# KiCad board Floppy Board v3.1.kicad_pcb (continued)
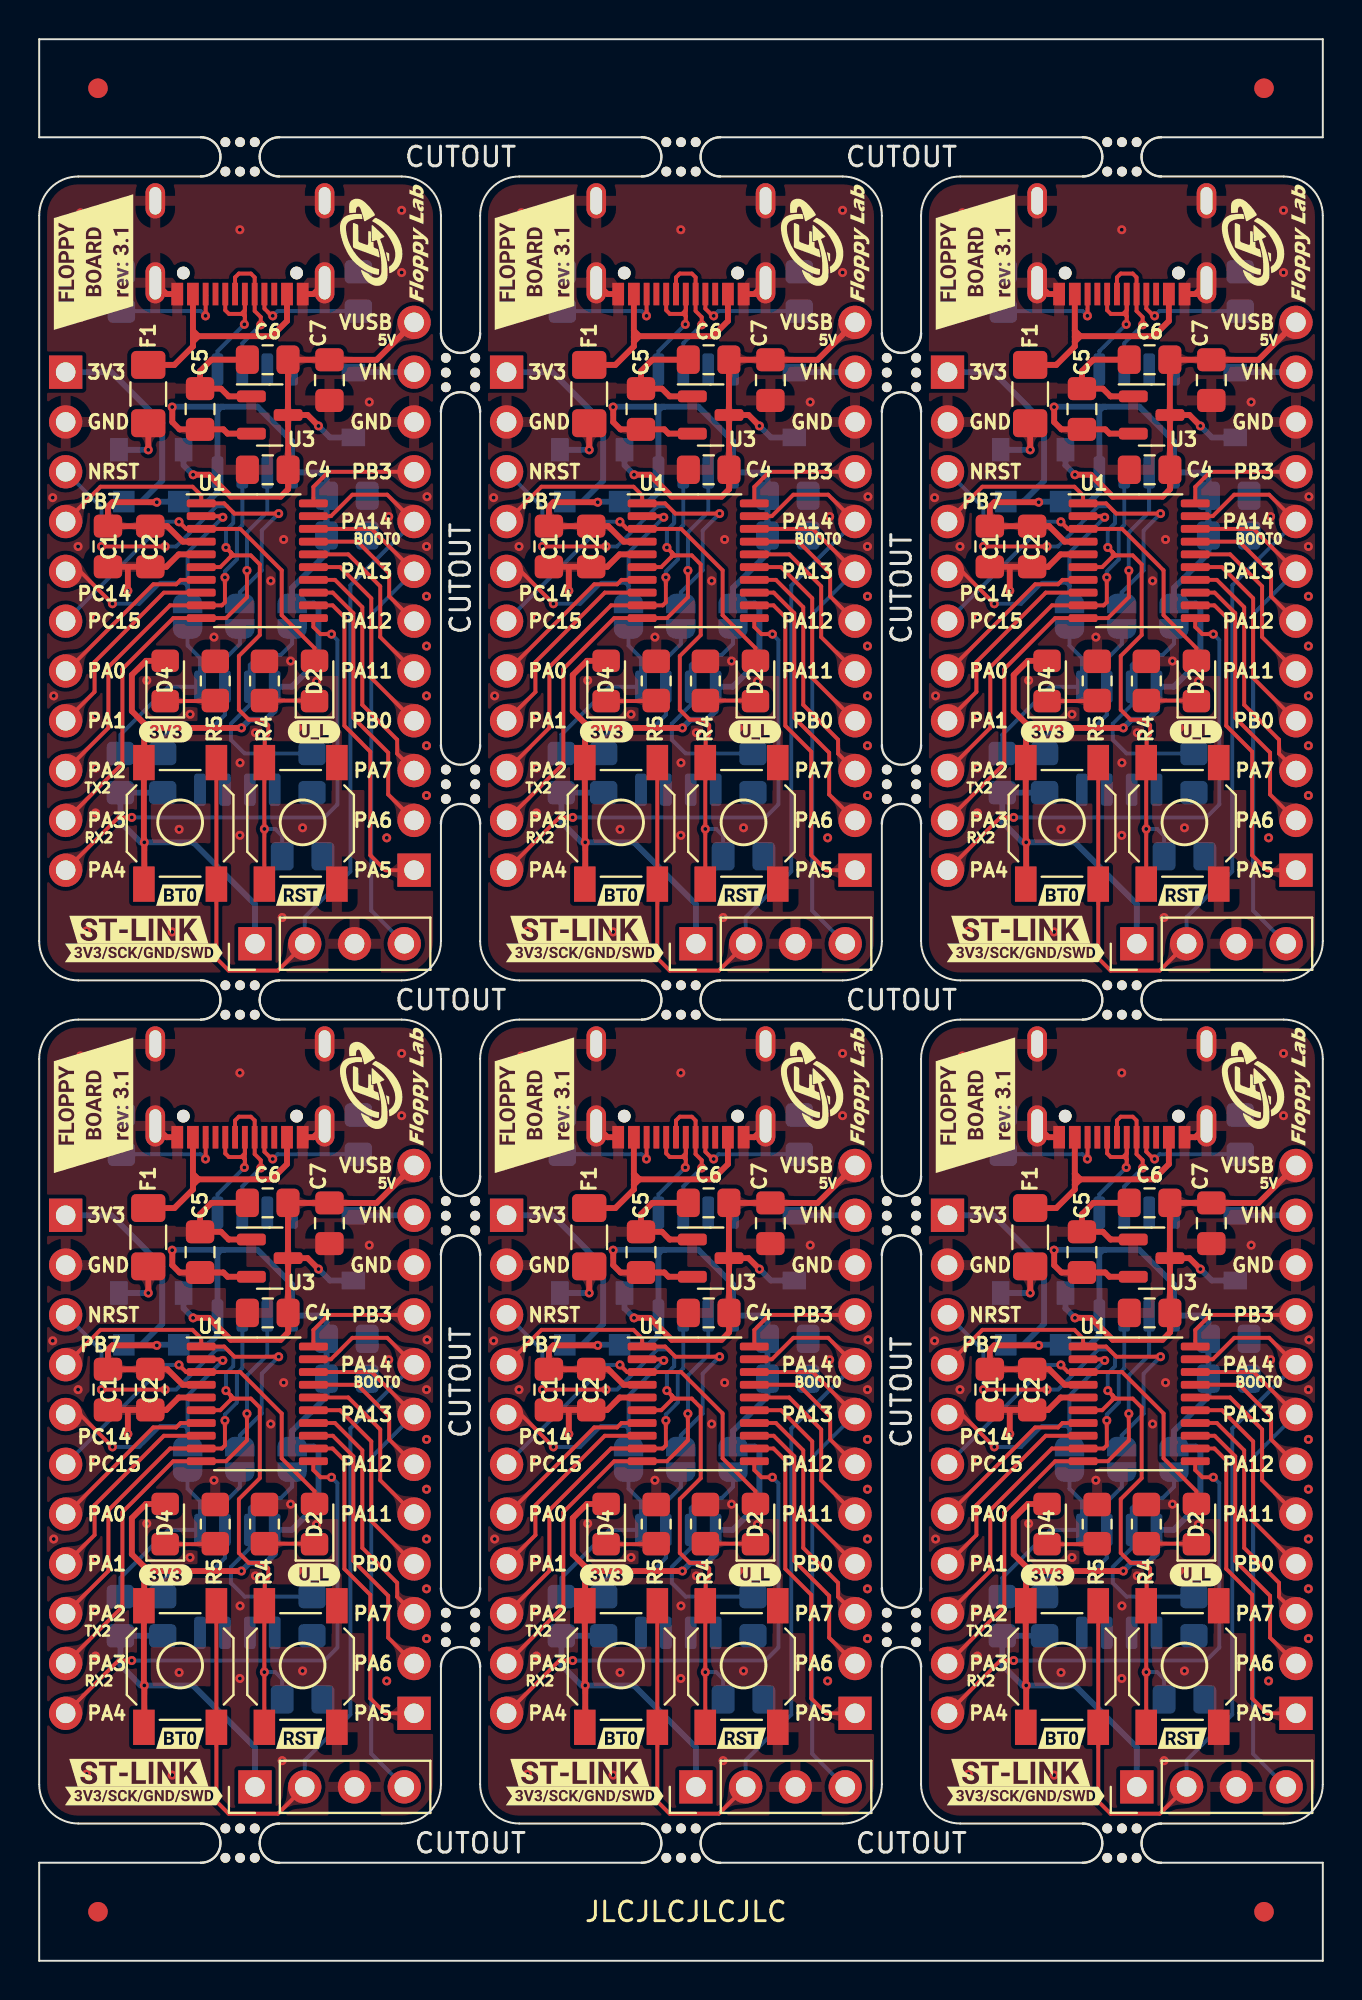
[diagram p0: board, top side]
## Copper pours and planes (outline as drawn; the poured copper is in the pictures) (continued)
PA13/SWDIO on Top: 17.86,71.98 18,71.83 18.09,71.7 18.15,71.57 18.19,71.44 18.21,71.32 18.22,71.19 18.23,71.06 18.25,70.91 18.28,70.76 18.33,70.58 19.43,70.56 19.41,71.66 19.23,71.71 19.08,71.74 18.93,71.76 18.8,71.77 18.67,71.78 18.55,71.8 18.42,71.84 18.29,71.9 18.16,71.99 18.01,72.13
PA13/SWDIO on Top: 40.36,71.98 40.5,71.83 40.59,71.7 40.65,71.57 40.69,71.44 40.71,71.32 40.72,71.19 40.73,71.06 40.75,70.91 40.78,70.76 40.83,70.58 41.93,70.56 41.91,71.66 41.73,71.71 41.58,71.74 41.43,71.76 41.3,71.77 41.17,71.78 41.05,71.8 40.92,71.84 40.79,71.9 40.66,71.99 40.51,72.13
PA13/SWDIO on Bottom: 63.01,26.59 63.16,26.73 63.29,26.82 63.42,26.88 63.55,26.92 63.67,26.94 63.8,26.95 63.93,26.96 64.08,26.98 64.23,27.01 64.41,27.06 64.43,28.16 63.33,28.14 63.28,27.96 63.25,27.81 63.23,27.66 63.22,27.53 63.21,27.4 63.19,27.28 63.15,27.15 63.09,27.02 63,26.89 62.86,26.74
PA13/SWDIO on Bottom: 39.86,52.99 40,52.84 40.09,52.71 40.15,52.58 40.19,52.45 40.21,52.33 40.22,52.2 40.23,52.07 40.25,51.92 40.28,51.77 40.33,51.59 41.43,51.57 41.41,52.67 41.23,52.72 41.08,52.75 40.93,52.77 40.8,52.78 40.67,52.79 40.55,52.81 40.42,52.85 40.29,52.91 40.16,53 40.01,53.14
PA13/SWDIO on Bottom: 18.01,26.59 18.16,26.73 18.29,26.82 18.42,26.88 18.55,26.92 18.67,26.94 18.8,26.95 18.93,26.96 19.08,26.98 19.23,27.01 19.41,27.06 19.43,28.16 18.33,28.14 18.28,27.96 18.25,27.81 18.23,27.66 18.22,27.53 18.21,27.4 18.19,27.28 18.15,27.15 18.09,27.02 18,26.89 17.86,26.74
PA13/SWDIO on Bottom: 62.36,9.99 62.5,9.84 62.59,9.71 62.65,9.58 62.69,9.45 62.71,9.33 62.72,9.2 62.73,9.07 62.75,8.92 62.78,8.77 62.83,8.59 63.93,8.57 63.91,9.67 63.73,9.72 63.58,9.75 63.43,9.77 63.3,9.78 63.17,9.79 63.05,9.81 62.92,9.85 62.79,9.91 62.66,10 62.51,10.14
PA13/SWDIO on Bottom: 63.01,69.59 63.16,69.73 63.29,69.82 63.42,69.88 63.55,69.92 63.67,69.94 63.8,69.95 63.93,69.96 64.08,69.98 64.23,70.01 64.41,70.06 64.43,71.16 63.33,71.14 63.28,70.96 63.25,70.81 63.23,70.66 63.22,70.53 63.21,70.4 63.19,70.28 63.15,70.15 63.09,70.02 63,69.89 62.86,69.74
PA13/SWDIO on Bottom: 39.86,9.99 40,9.84 40.09,9.71 40.15,9.58 40.19,9.45 40.21,9.33 40.22,9.2 40.23,9.07 40.25,8.92 40.28,8.77 40.33,8.59 41.43,8.57 41.41,9.67 41.23,9.72 41.08,9.75 40.93,9.77 40.8,9.78 40.67,9.79 40.55,9.81 40.42,9.85 40.29,9.91 40.16,10 40.01,10.14
PA13/SWDIO on Bottom: 17.36,52.99 17.5,52.84 17.59,52.71 17.65,52.58 17.69,52.45 17.71,52.33 17.72,52.2 17.73,52.07 17.75,51.92 17.78,51.77 17.83,51.59 18.93,51.57 18.91,52.67 18.73,52.72 18.58,52.75 18.43,52.77 18.3,52.78 18.17,52.79 18.05,52.81 17.92,52.85 17.79,52.91 17.66,53 17.51,53.14
PA13/SWDIO on Bottom: 17.36,9.99 17.5,9.84 17.59,9.71 17.65,9.58 17.69,9.45 17.71,9.33 17.72,9.2 17.73,9.07 17.75,8.92 17.78,8.77 17.83,8.59 18.93,8.57 18.91,9.67 18.73,9.72 18.58,9.75 18.43,9.77 18.3,9.78 18.17,9.79 18.05,9.81 17.92,9.85 17.79,9.91 17.66,10 17.51,10.14
PA13/SWDIO on Bottom: 18.01,69.59 18.16,69.73 18.29,69.82 18.42,69.88 18.55,69.92 18.67,69.94 18.8,69.95 18.93,69.96 19.08,69.98 19.23,70.01 19.41,70.06 19.43,71.16 18.33,71.14 18.28,70.96 18.25,70.81 18.23,70.66 18.22,70.53 18.21,70.4 18.19,70.28 18.15,70.15 18.09,70.02 18,69.89 17.86,69.74
PA13/SWDIO on Bottom: 40.51,69.59 40.66,69.73 40.79,69.82 40.92,69.88 41.05,69.92 41.17,69.94 41.3,69.95 41.43,69.96 41.58,69.98 41.73,70.01 41.91,70.06 41.93,71.16 40.83,71.14 40.78,70.96 40.75,70.81 40.73,70.66 40.72,70.53 40.71,70.4 40.69,70.28 40.65,70.15 40.59,70.02 40.5,69.89 40.36,69.74
PA13/SWDIO on Bottom: 62.36,52.99 62.5,52.84 62.59,52.71 62.65,52.58 62.69,52.45 62.71,52.33 62.72,52.2 62.73,52.07 62.75,51.92 62.78,51.77 62.83,51.59 63.93,51.57 63.91,52.67 63.73,52.72 63.58,52.75 63.43,52.77 63.3,52.78 63.17,52.79 63.05,52.81 62.92,52.85 62.79,52.91 62.66,53 62.51,53.14
PA13/SWDIO on Bottom: 40.51,26.59 40.66,26.73 40.79,26.82 40.92,26.88 41.05,26.92 41.17,26.94 41.3,26.95 41.43,26.96 41.58,26.98 41.73,27.01 41.91,27.06 41.93,28.16 40.83,28.14 40.78,27.96 40.75,27.81 40.73,27.66 40.72,27.53 40.71,27.4 40.69,27.28 40.65,27.15 40.59,27.02 40.5,26.89 40.36,26.74
PA14/SWCLK/BOOT0 on Top: 34.93,50.6 35.08,50.74 35.21,50.83 35.34,50.89 35.47,50.93 35.59,50.95 35.72,50.96 35.85,50.97 36,50.99 36.15,51.02 36.33,51.07 36.35,52.17 35.25,52.15 35.2,51.97 35.17,51.81 35.15,51.67 35.14,51.54 35.13,51.41 35.11,51.29 35.07,51.16 35.01,51.03 34.92,50.89 34.78,50.74
PA14/SWCLK/BOOT0 on Top: 9.14,53.8 9.15,53.93 9.17,54.04 9.19,54.13 9.23,54.21 9.27,54.27 9.32,54.34 9.37,54.41 9.43,54.48 9.48,54.57 9.54,54.67 9.04,55.18 8.55,54.67 8.6,54.57 8.66,54.48 8.71,54.41 8.76,54.34 8.81,54.27 8.86,54.21 8.89,54.13 8.92,54.04 8.94,53.93 8.94,53.8
PA14/SWCLK/BOOT0 on Top: 62.86,31.52 63,31.37 63.09,31.24 63.15,31.11 63.19,30.98 63.21,30.86 63.22,30.73 63.23,30.6 63.25,30.45 63.28,30.3 63.33,30.12 64.43,30.1 64.41,31.2 64.23,31.25 64.08,31.28 63.93,31.3 63.8,31.31 63.67,31.32 63.55,31.34 63.42,31.38 63.29,31.44 63.16,31.53 63.01,31.67
PA14/SWCLK/BOOT0 on Top: 31.44,13 31.44,12.87 31.42,12.76 31.39,12.68 31.35,12.6 31.31,12.54 31.26,12.47 31.21,12.41 31.16,12.33 31.1,12.25 31.05,12.15 31.54,11.63 32.04,12.15 31.98,12.25 31.93,12.33 31.87,12.41 31.82,12.47 31.77,12.54 31.73,12.6 31.69,12.68 31.67,12.76 31.65,12.87 31.64,13
PA14/SWCLK/BOOT0 on Top: 12.43,50.6 12.58,50.74 12.71,50.83 12.84,50.89 12.97,50.93 13.09,50.95 13.22,50.96 13.35,50.97 13.5,50.99 13.65,51.02 13.83,51.07 13.85,52.17 12.75,52.15 12.7,51.97 12.67,51.81 12.65,51.67 12.64,51.54 12.63,51.41 12.61,51.29 12.57,51.16 12.51,51.03 12.42,50.89 12.28,50.74
PA14/SWCLK/BOOT0 on Top: 9.14,17.02 9.15,17.15 9.17,17.25 9.19,17.34 9.23,17.41 9.27,17.48 9.32,17.54 9.37,17.61 9.43,17.68 9.48,17.77 9.54,17.87 9.04,18.38 8.55,17.87 8.6,17.77 8.66,17.68 8.71,17.61 8.76,17.54 8.81,17.48 8.85,17.41 8.89,17.34 8.92,17.25 8.94,17.15 8.94,17.02
PA14/SWCLK/BOOT0 on Top: 8.94,13 8.94,12.87 8.92,12.76 8.89,12.68 8.85,12.6 8.81,12.54 8.76,12.47 8.71,12.41 8.66,12.33 8.6,12.25 8.55,12.15 9.04,11.63 9.54,12.15 9.48,12.25 9.43,12.33 9.37,12.41 9.32,12.47 9.27,12.54 9.23,12.6 9.19,12.68 9.17,12.76 9.15,12.87 9.14,13
PA14/SWCLK/BOOT0 on Top: 8.94,56 8.94,55.87 8.92,55.76 8.89,55.68 8.85,55.6 8.81,55.54 8.76,55.47 8.71,55.41 8.66,55.33 8.6,55.25 8.55,55.15 9.04,54.63 9.54,55.15 9.48,55.25 9.43,55.33 9.37,55.41 9.32,55.47 9.27,55.54 9.23,55.6 9.19,55.68 9.17,55.76 9.15,55.87 9.14,56
PA14/SWCLK/BOOT0 on Top: 54.14,60.02 54.15,60.15 54.17,60.25 54.19,60.34 54.23,60.41 54.27,60.48 54.32,60.54 54.37,60.61 54.43,60.68 54.48,60.77 54.54,60.87 54.04,61.38 53.55,60.87 53.6,60.77 53.66,60.68 53.71,60.61 53.76,60.54 53.81,60.48 53.85,60.41 53.89,60.34 53.92,60.25 53.94,60.15 53.94,60.02
PA14/SWCLK/BOOT0 on Top: 53.94,56 53.94,55.87 53.92,55.76 53.89,55.68 53.85,55.6 53.81,55.54 53.76,55.47 53.71,55.41 53.66,55.33 53.6,55.25 53.55,55.15 54.04,54.63 54.54,55.15 54.48,55.25 54.43,55.33 54.37,55.41 54.32,55.47 54.27,55.54 54.23,55.6 54.19,55.68 54.17,55.76 54.15,55.87 54.14,56
PA14/SWCLK/BOOT0 on Top: 54.14,53.8 54.15,53.93 54.17,54.04 54.19,54.13 54.23,54.21 54.27,54.27 54.32,54.34 54.37,54.41 54.43,54.48 54.48,54.57 54.54,54.67 54.04,55.18 53.55,54.67 53.6,54.57 53.66,54.48 53.71,54.41 53.76,54.34 53.81,54.27 53.86,54.21 53.89,54.13 53.92,54.04 53.94,53.93 53.94,53.8
PA14/SWCLK/BOOT0 on Top: 31.64,60.02 31.65,60.15 31.67,60.25 31.69,60.34 31.73,60.41 31.77,60.48 31.82,60.54 31.87,60.61 31.93,60.68 31.98,60.77 32.04,60.87 31.54,61.38 31.05,60.87 31.1,60.77 31.16,60.68 31.21,60.61 31.26,60.54 31.31,60.48 31.35,60.41 31.39,60.34 31.42,60.25 31.44,60.15 31.44,60.02
PA14/SWCLK/BOOT0 on Top: 9.14,60.02 9.15,60.15 9.17,60.25 9.19,60.34 9.23,60.41 9.27,60.48 9.32,60.54 9.37,60.61 9.43,60.68 9.48,60.77 9.54,60.87 9.04,61.38 8.55,60.87 8.6,60.77 8.66,60.68 8.71,60.61 8.76,60.54 8.81,60.48 8.85,60.41 8.89,60.34 8.92,60.25 8.94,60.15 8.94,60.02
PA14/SWCLK/BOOT0 on Top: 17.86,31.52 18,31.37 18.09,31.24 18.15,31.11 18.19,30.98 18.21,30.86 18.22,30.73 18.23,30.6 18.25,30.45 18.28,30.3 18.33,30.12 19.43,30.1 19.41,31.2 19.23,31.25 19.08,31.28 18.93,31.3 18.8,31.31 18.67,31.32 18.55,31.34 18.42,31.38 18.29,31.44 18.16,31.53 18.01,31.67
PA14/SWCLK/BOOT0 on Top: 57.43,50.6 57.58,50.74 57.71,50.83 57.84,50.89 57.97,50.93 58.09,50.95 58.22,50.96 58.35,50.97 58.5,50.99 58.65,51.02 58.83,51.07 58.85,52.17 57.75,52.15 57.7,51.97 57.67,51.81 57.65,51.67 57.64,51.54 57.63,51.41 57.61,51.29 57.57,51.16 57.51,51.03 57.42,50.89 57.28,50.74
PA14/SWCLK/BOOT0 on Top: 53.94,13 53.94,12.87 53.92,12.76 53.89,12.68 53.85,12.6 53.81,12.54 53.76,12.47 53.71,12.41 53.66,12.33 53.6,12.25 53.55,12.15 54.04,11.63 54.54,12.15 54.48,12.25 54.43,12.33 54.37,12.41 54.32,12.47 54.27,12.54 54.23,12.6 54.19,12.68 54.17,12.76 54.15,12.87 54.14,13
PA14/SWCLK/BOOT0 on Top: 31.44,56 31.44,55.87 31.42,55.76 31.39,55.68 31.35,55.6 31.31,55.54 31.26,55.47 31.21,55.41 31.16,55.33 31.1,55.25 31.05,55.15 31.54,54.63 32.04,55.15 31.98,55.25 31.93,55.33 31.87,55.41 31.82,55.47 31.77,55.54 31.73,55.6 31.69,55.68 31.67,55.76 31.65,55.87 31.64,56
PA14/SWCLK/BOOT0 on Top: 54.14,10.81 54.15,10.93 54.17,11.04 54.19,11.13 54.23,11.21 54.27,11.27 54.32,11.34 54.37,11.41 54.43,11.48 54.48,11.57 54.54,11.67 54.04,12.18 53.55,11.67 53.6,11.57 53.66,11.48 53.71,11.41 53.76,11.34 53.81,11.27 53.86,11.21 53.89,11.13 53.92,11.04 53.94,10.93 53.94,10.81
PA14/SWCLK/BOOT0 on Top: 40.36,31.52 40.5,31.37 40.59,31.24 40.65,31.11 40.69,30.98 40.71,30.86 40.72,30.73 40.73,30.6 40.75,30.45 40.78,30.3 40.83,30.12 41.93,30.1 41.91,31.2 41.73,31.25 41.58,31.28 41.43,31.3 41.3,31.31 41.17,31.32 41.05,31.34 40.92,31.38 40.79,31.44 40.66,31.53 40.51,31.67
PA14/SWCLK/BOOT0 on Top: 17.86,74.52 18,74.37 18.09,74.24 18.15,74.11 18.19,73.98 18.21,73.86 18.22,73.73 18.23,73.6 18.25,73.45 18.28,73.3 18.33,73.12 19.43,73.1 19.41,74.2 19.23,74.25 19.08,74.28 18.93,74.3 18.8,74.31 18.67,74.32 18.55,74.34 18.42,74.38 18.29,74.44 18.16,74.53 18.01,74.67
PA14/SWCLK/BOOT0 on Top: 54.14,17.02 54.15,17.15 54.17,17.25 54.19,17.34 54.23,17.41 54.27,17.48 54.32,17.54 54.37,17.61 54.43,17.68 54.48,17.77 54.54,17.87 54.04,18.38 53.55,17.87 53.6,17.77 53.66,17.68 53.71,17.61 53.76,17.54 53.81,17.48 53.85,17.41 53.89,17.34 53.92,17.25 53.94,17.15 53.94,17.02
PA14/SWCLK/BOOT0 on Top: 12.43,7.6 12.58,7.74 12.71,7.83 12.84,7.89 12.97,7.93 13.09,7.95 13.22,7.96 13.35,7.97 13.5,7.99 13.65,8.02 13.83,8.07 13.85,9.17 12.75,9.15 12.7,8.97 12.67,8.81 12.65,8.67 12.64,8.54 12.63,8.41 12.61,8.29 12.57,8.16 12.51,8.03 12.42,7.89 12.28,7.74
PA14/SWCLK/BOOT0 on Top: 40.36,74.52 40.5,74.37 40.59,74.24 40.65,74.11 40.69,73.98 40.71,73.86 40.72,73.73 40.73,73.6 40.75,73.45 40.78,73.3 40.83,73.12 41.93,73.1 41.91,74.2 41.73,74.25 41.58,74.28 41.43,74.3 41.3,74.31 41.17,74.32 41.05,74.34 40.92,74.38 40.79,74.44 40.66,74.53 40.51,74.67
PA14/SWCLK/BOOT0 on Top: 62.86,74.52 63,74.37 63.09,74.24 63.15,74.11 63.19,73.98 63.21,73.86 63.22,73.73 63.23,73.6 63.25,73.45 63.28,73.3 63.33,73.12 64.43,73.1 64.41,74.2 64.23,74.25 64.08,74.28 63.93,74.3 63.8,74.31 63.67,74.32 63.55,74.34 63.42,74.38 63.29,74.44 63.16,74.53 63.01,74.67
PA14/SWCLK/BOOT0 on Top: 31.64,10.81 31.65,10.93 31.67,11.04 31.69,11.13 31.73,11.21 31.77,11.27 31.82,11.34 31.87,11.41 31.93,11.48 31.98,11.57 32.04,11.67 31.54,12.18 31.05,11.67 31.1,11.57 31.16,11.48 31.21,11.41 31.26,11.34 31.31,11.27 31.36,11.21 31.39,11.13 31.42,11.04 31.44,10.93 31.44,10.81
PA14/SWCLK/BOOT0 on Top: 34.93,7.6 35.08,7.74 35.21,7.83 35.34,7.89 35.47,7.93 35.59,7.95 35.72,7.96 35.85,7.97 36,7.99 36.15,8.02 36.33,8.07 36.35,9.17 35.25,9.15 35.2,8.97 35.17,8.81 35.15,8.67 35.14,8.54 35.13,8.41 35.11,8.29 35.07,8.16 35.01,8.03 34.92,7.89 34.78,7.74
PA14/SWCLK/BOOT0 on Top: 31.64,53.8 31.65,53.93 31.67,54.04 31.69,54.13 31.73,54.21 31.77,54.27 31.82,54.34 31.87,54.41 31.93,54.48 31.98,54.57 32.04,54.67 31.54,55.18 31.05,54.67 31.1,54.57 31.16,54.48 31.21,54.41 31.26,54.34 31.31,54.27 31.36,54.21 31.39,54.13 31.42,54.04 31.44,53.93 31.44,53.8
PA14/SWCLK/BOOT0 on Top: 57.43,7.6 57.58,7.74 57.71,7.83 57.84,7.89 57.97,7.93 58.09,7.95 58.22,7.96 58.35,7.97 58.5,7.99 58.65,8.02 58.83,8.07 58.85,9.17 57.75,9.15 57.7,8.97 57.67,8.81 57.65,8.67 57.64,8.54 57.63,8.41 57.61,8.29 57.57,8.16 57.51,8.03 57.42,7.89 57.28,7.74
PA14/SWCLK/BOOT0 on Top: 31.64,17.02 31.65,17.15 31.67,17.25 31.69,17.34 31.73,17.41 31.77,17.48 31.82,17.54 31.87,17.61 31.93,17.68 31.98,17.77 32.04,17.87 31.54,18.38 31.05,17.87 31.1,17.77 31.16,17.68 31.21,17.61 31.26,17.54 31.31,17.48 31.35,17.41 31.39,17.34 31.42,17.25 31.44,17.15 31.44,17.02
PA14/SWCLK/BOOT0 on Top: 9.14,10.81 9.15,10.93 9.17,11.04 9.19,11.13 9.23,11.21 9.27,11.27 9.32,11.34 9.37,11.41 9.43,11.48 9.48,11.57 9.54,11.67 9.04,12.18 8.55,11.67 8.6,11.57 8.66,11.48 8.71,11.41 8.76,11.34 8.81,11.27 8.86,11.21 8.89,11.13 8.92,11.04 8.94,10.93 8.94,10.81
PA14/SWCLK/BOOT0 on Bottom: 63.01,29.13 63.16,29.27 63.29,29.36 63.42,29.42 63.55,29.46 63.67,29.48 63.8,29.49 63.93,29.5 64.08,29.52 64.23,29.55 64.41,29.6 64.43,30.7 63.33,30.68 63.28,30.5 63.25,30.35 63.23,30.2 63.22,30.07 63.21,29.94 63.19,29.82 63.15,29.69 63.09,29.56 63,29.43 62.86,29.28
PA14/SWCLK/BOOT0 on Bottom: 58.72,53.54 58.6,53.41 58.5,53.29 58.43,53.18 58.37,53.08 58.27,52.89 58.21,52.8 58.14,52.7 58.06,52.59 57.95,52.47 58.55,51.44 59.32,52.24 59.23,52.38 59.13,52.51 59.03,52.63 58.93,52.74 58.84,52.84 58.76,52.94 58.72,53.05 58.72,53.16 58.76,53.27 58.87,53.4
PA14/SWCLK/BOOT0 on Bottom: 63.01,72.13 63.16,72.27 63.29,72.36 63.42,72.42 63.55,72.46 63.67,72.48 63.8,72.49 63.93,72.5 64.08,72.52 64.23,72.55 64.41,72.6 64.43,73.7 63.33,73.68 63.28,73.5 63.25,73.35 63.23,73.2 63.22,73.07 63.21,72.94 63.19,72.82 63.15,72.69 63.09,72.56 63,72.43 62.86,72.28
PA14/SWCLK/BOOT0 on Bottom: 13.72,10.54 13.6,10.41 13.5,10.29 13.43,10.18 13.37,10.08 13.27,9.89 13.21,9.8 13.14,9.7 13.06,9.59 12.95,9.47 13.55,8.44 14.31,9.24 14.23,9.38 14.13,9.51 14.03,9.63 13.93,9.74 13.84,9.84 13.76,9.94 13.72,10.05 13.72,10.16 13.76,10.27 13.87,10.4
PA14/SWCLK/BOOT0 on Bottom: 40.51,29.13 40.66,29.27 40.79,29.36 40.92,29.42 41.05,29.46 41.17,29.48 41.3,29.49 41.43,29.5 41.58,29.52 41.73,29.55 41.91,29.6 41.93,30.7 40.83,30.68 40.78,30.5 40.75,30.35 40.73,30.2 40.72,30.07 40.71,29.94 40.69,29.82 40.65,29.69 40.59,29.56 40.5,29.43 40.36,29.28
PA14/SWCLK/BOOT0 on Bottom: 13.72,53.54 13.6,53.41 13.5,53.29 13.43,53.18 13.37,53.08 13.27,52.89 13.21,52.8 13.14,52.7 13.06,52.59 12.95,52.47 13.55,51.44 14.31,52.24 14.23,52.38 14.13,52.51 14.03,52.63 13.93,52.74 13.84,52.84 13.76,52.94 13.72,53.05 13.72,53.16 13.76,53.27 13.87,53.4
PA14/SWCLK/BOOT0 on Bottom: 18.01,29.13 18.16,29.27 18.29,29.36 18.42,29.42 18.55,29.46 18.67,29.48 18.8,29.49 18.93,29.5 19.08,29.52 19.23,29.55 19.41,29.6 19.43,30.7 18.33,30.68 18.28,30.5 18.25,30.35 18.23,30.2 18.22,30.07 18.21,29.94 18.19,29.82 18.15,29.69 18.09,29.56 18,29.43 17.86,29.28
PA14/SWCLK/BOOT0 on Bottom: 36.22,10.54 36.1,10.41 36,10.29 35.93,10.18 35.87,10.08 35.77,9.89 35.71,9.8 35.64,9.7 35.56,9.59 35.45,9.47 36.05,8.44 36.82,9.24 36.73,9.38 36.63,9.51 36.53,9.63 36.43,9.74 36.34,9.84 36.26,9.94 36.22,10.05 36.22,10.16 36.26,10.27 36.37,10.4
PA14/SWCLK/BOOT0 on Bottom: 40.51,72.13 40.66,72.27 40.79,72.36 40.92,72.42 41.05,72.46 41.17,72.48 41.3,72.49 41.43,72.5 41.58,72.52 41.73,72.55 41.91,72.6 41.93,73.7 40.83,73.68 40.78,73.5 40.75,73.35 40.73,73.2 40.72,73.07 40.71,72.94 40.69,72.82 40.65,72.69 40.59,72.56 40.5,72.43 40.36,72.28
PA14/SWCLK/BOOT0 on Bottom: 18.01,72.13 18.16,72.27 18.29,72.36 18.42,72.42 18.55,72.46 18.67,72.48 18.8,72.49 18.93,72.5 19.08,72.52 19.23,72.55 19.41,72.6 19.43,73.7 18.33,73.68 18.28,73.5 18.25,73.35 18.23,73.2 18.22,73.07 18.21,72.94 18.19,72.82 18.15,72.69 18.09,72.56 18,72.43 17.86,72.28
PA14/SWCLK/BOOT0 on Bottom: 36.22,53.54 36.1,53.41 36,53.29 35.93,53.18 35.87,53.08 35.77,52.89 35.71,52.8 35.64,52.7 35.56,52.59 35.45,52.47 36.05,51.44 36.82,52.24 36.73,52.38 36.63,52.51 36.53,52.63 36.43,52.74 36.34,52.84 36.26,52.94 36.22,53.05 36.22,53.16 36.26,53.27 36.37,53.4
PA14/SWCLK/BOOT0 on Bottom: 58.72,10.54 58.6,10.41 58.5,10.29 58.43,10.18 58.37,10.08 58.27,9.89 58.21,9.8 58.14,9.7 58.06,9.59 57.95,9.47 58.55,8.44 59.32,9.24 59.23,9.38 59.13,9.51 59.03,9.63 58.93,9.74 58.84,9.84 58.76,9.94 58.72,10.05 58.72,10.16 58.76,10.27 58.87,10.4
PB0 on Top: 17.86,21.36 18,21.21 18.09,21.08 18.15,20.95 18.19,20.82 18.21,20.7 18.22,20.57 18.23,20.44 18.25,20.29 18.28,20.14 18.33,19.96 19.43,19.94 19.41,21.04 19.23,21.09 19.08,21.12 18.93,21.14 18.8,21.15 18.67,21.16 18.55,21.18 18.42,21.22 18.29,21.28 18.16,21.37 18.01,21.51
PB0 on Top: 62.86,64.36 63,64.21 63.09,64.08 63.15,63.95 63.19,63.82 63.21,63.7 63.22,63.57 63.23,63.44 63.25,63.29 63.28,63.14 63.33,62.96 64.43,62.94 64.41,64.04 64.23,64.09 64.08,64.12 63.93,64.14 63.8,64.15 63.67,64.16 63.55,64.18 63.42,64.22 63.29,64.28 63.16,64.37 63.01,64.51
PB0 on Top: 62.86,21.36 63,21.21 63.09,21.08 63.15,20.95 63.19,20.82 63.21,20.7 63.22,20.57 63.23,20.44 63.25,20.29 63.28,20.14 63.33,19.96 64.43,19.94 64.41,21.04 64.23,21.09 64.08,21.12 63.93,21.14 63.8,21.15 63.67,21.16 63.55,21.18 63.42,21.22 63.29,21.28 63.16,21.37 63.01,21.51
PB0 on Top: 40.36,21.36 40.5,21.21 40.59,21.08 40.65,20.95 40.69,20.82 40.71,20.7 40.72,20.57 40.73,20.44 40.75,20.29 40.78,20.14 40.83,19.96 41.93,19.94 41.91,21.04 41.73,21.09 41.58,21.12 41.43,21.14 41.3,21.15 41.17,21.16 41.05,21.18 40.92,21.22 40.79,21.28 40.66,21.37 40.51,21.51
PB0 on Top: 40.36,64.36 40.5,64.21 40.59,64.08 40.65,63.95 40.69,63.82 40.71,63.7 40.72,63.57 40.73,63.44 40.75,63.29 40.78,63.14 40.83,62.96 41.93,62.94 41.91,64.04 41.73,64.09 41.58,64.12 41.43,64.14 41.3,64.15 41.17,64.16 41.05,64.18 40.92,64.22 40.79,64.28 40.66,64.37 40.51,64.51
PB0 on Top: 17.86,64.36 18,64.21 18.09,64.08 18.15,63.95 18.19,63.82 18.21,63.7 18.22,63.57 18.23,63.44 18.25,63.29 18.28,63.14 18.33,62.96 19.43,62.94 19.41,64.04 19.23,64.09 19.08,64.12 18.93,64.14 18.8,64.15 18.67,64.16 18.55,64.18 18.42,64.22 18.29,64.28 18.16,64.37 18.01,64.51
PB3 on Top: 39.94,75.84 40.14,75.83 40.3,75.8 40.44,75.75 40.55,75.69 40.66,75.61 40.75,75.53 40.85,75.44 40.97,75.35 41.1,75.26 41.26,75.17 42.05,75.94 41.26,76.7 41.1,76.62 40.97,76.53 40.85,76.44 40.75,76.35 40.66,76.27 40.55,76.19 40.44,76.13 40.3,76.08 40.14,76.05 39.94,76.04
PB3 on Top: 62.44,75.84 62.64,75.83 62.8,75.8 62.94,75.75 63.05,75.69 63.16,75.61 63.25,75.53 63.35,75.44 63.47,75.35 63.6,75.26 63.76,75.17 64.55,75.94 63.76,76.7 63.6,76.62 63.47,76.53 63.35,76.44 63.25,76.35 63.16,76.27 63.05,76.19 62.94,76.13 62.8,76.08 62.64,76.05 62.44,76.04
PB3 on Top: 39.94,32.84 40.14,32.83 40.3,32.8 40.44,32.75 40.55,32.69 40.66,32.61 40.75,32.53 40.85,32.44 40.97,32.35 41.1,32.26 41.26,32.17 42.05,32.94 41.26,33.7 41.1,33.62 40.97,33.53 40.85,33.44 40.75,33.35 40.66,33.27 40.55,33.19 40.44,33.13 40.3,33.08 40.14,33.05 39.94,33.04
PB3 on Top: 17.44,32.84 17.64,32.83 17.8,32.8 17.94,32.75 18.05,32.69 18.16,32.61 18.25,32.53 18.35,32.44 18.47,32.35 18.6,32.26 18.76,32.17 19.56,32.94 18.76,33.7 18.6,33.62 18.47,33.53 18.35,33.44 18.25,33.35 18.16,33.27 18.05,33.19 17.94,33.13 17.8,33.08 17.64,33.05 17.44,33.04
PB3 on Top: 62.44,32.84 62.64,32.83 62.8,32.8 62.94,32.75 63.05,32.69 63.16,32.61 63.25,32.53 63.35,32.44 63.47,32.35 63.6,32.26 63.76,32.17 64.55,32.94 63.76,33.7 63.6,33.62 63.47,33.53 63.35,33.44 63.25,33.35 63.16,33.27 63.05,33.19 62.94,33.13 62.8,33.08 62.64,33.05 62.44,33.04
PB3 on Top: 17.44,75.84 17.64,75.83 17.8,75.8 17.94,75.75 18.05,75.69 18.16,75.61 18.25,75.53 18.35,75.44 18.47,75.35 18.6,75.26 18.76,75.17 19.56,75.94 18.76,76.7 18.6,76.62 18.47,76.53 18.35,76.44 18.25,76.35 18.16,76.27 18.05,76.19 17.94,76.13 17.8,76.08 17.64,76.05 17.44,76.04
PB7 on Top: 24.97,31.67 24.82,31.53 24.69,31.44 24.56,31.38 24.43,31.34 24.31,31.32 24.18,31.31 24.05,31.3 23.9,31.28 23.75,31.25 23.57,31.2 23.55,30.1 24.65,30.12 24.7,30.3 24.73,30.45 24.75,30.6 24.76,30.73 24.77,30.86 24.79,30.98 24.83,31.11 24.89,31.24 24.98,31.37 25.12,31.52